# Altium PCB TMS320F28379D_Interfaz_.PcbDoc (part 1 of 5) (continued)
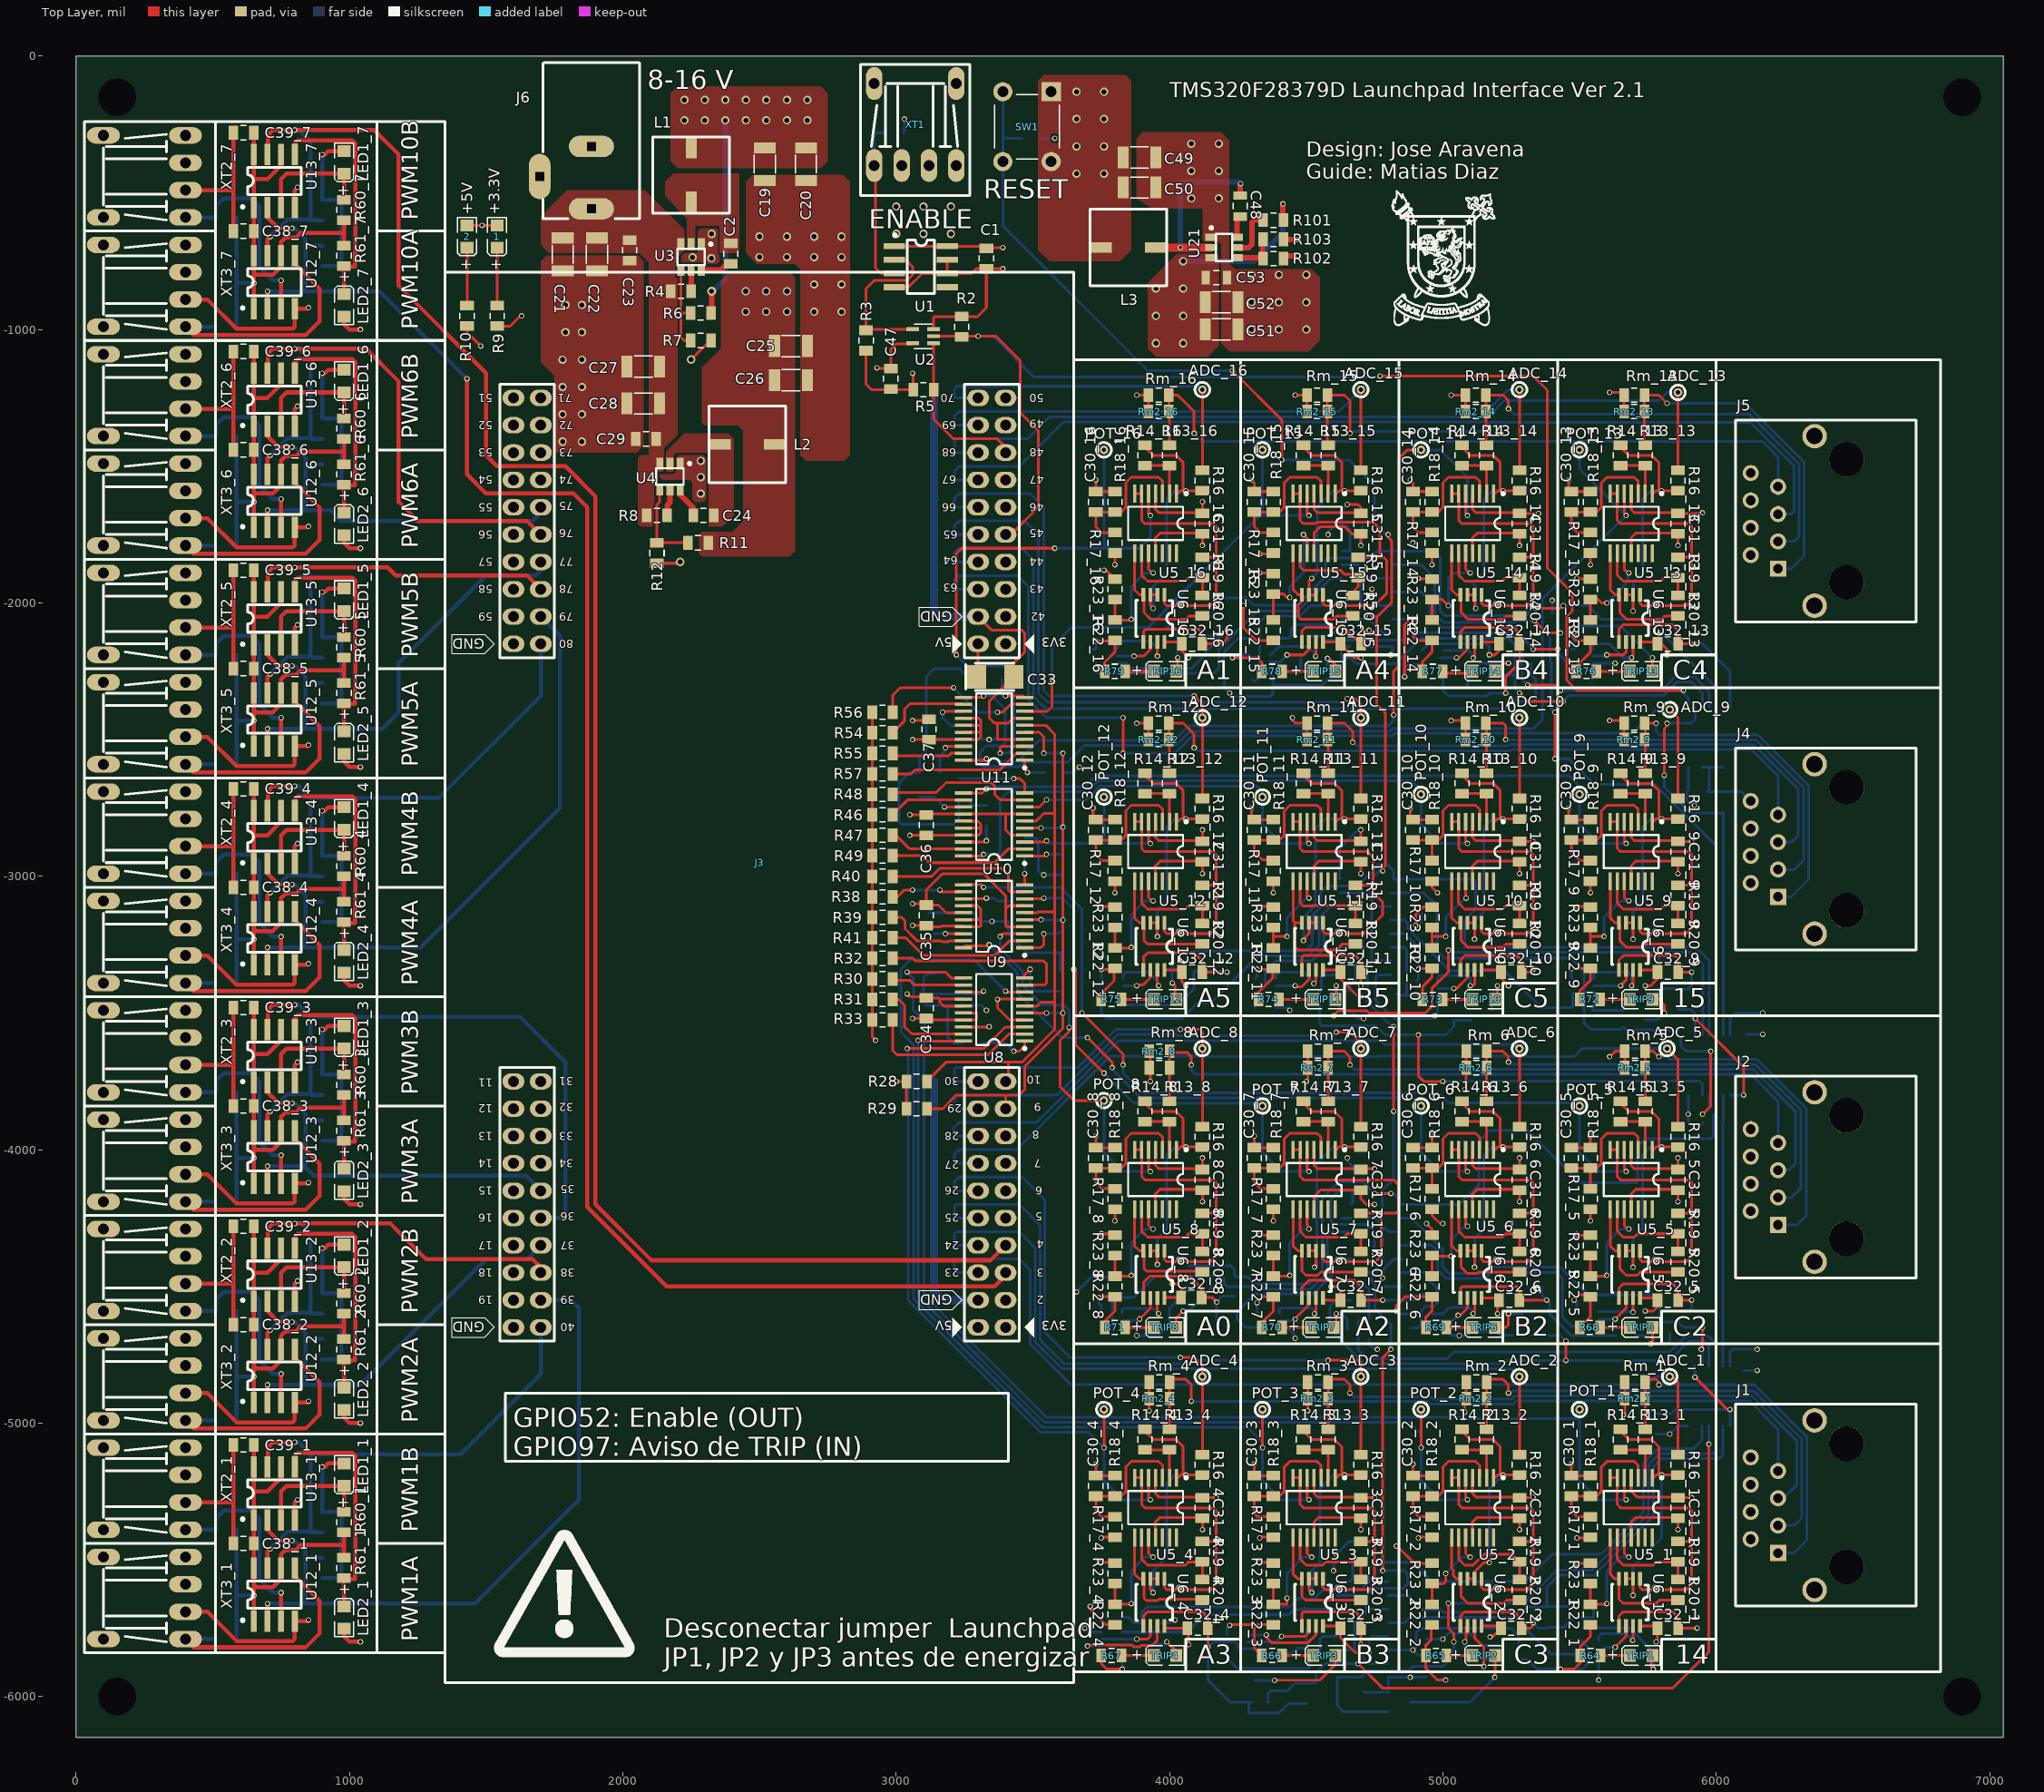
[diagram p0: Top Layer view]
## Components (designator, comment, footprint, x,y, rotation, side; value= is the part's Value field where it differs from the comment) (continued)
R14_1 "Resistor 0805" "Resistor 0805" 5650,-5060 r90 top value=10k (schematic designator R14)
R14_2 "Resistor 0805" "Resistor 0805" 5070,-5060 r90 top value=10k (schematic designator R14)
R14_3 "Resistor 0805" "Resistor 0805" 4490,-5060 r90 top value=10k (schematic designator R14)
R14_4 "Resistor 0805" "Resistor 0805" 3910,-5060 r90 top value=10k (schematic designator R14)
R14_5 "Resistor 0805" "Resistor 0805" 5650,-3860 r90 top value=10k (schematic designator R14)
R14_6 "Resistor 0805" "Resistor 0805" 5070,-3860 r90 top value=10k (schematic designator R14)
R14_7 "Resistor 0805" "Resistor 0805" 4490,-3860 r90 top value=10k (schematic designator R14)
R14_8 "Resistor 0805" "Resistor 0805" 3910,-3860 r90 top value=10k (schematic designator R14)
R14_9 "Resistor 0805" "Resistor 0805" 5650,-2660 r90 top value=10k (schematic designator R14)
R14_10 "Resistor 0805" "Resistor 0805" 5070,-2660 r90 top value=10k (schematic designator R14)
R14_11 "Resistor 0805" "Resistor 0805" 4490,-2660 r90 top value=10k (schematic designator R14)
R14_12 "Resistor 0805" "Resistor 0805" 3910,-2660 r90 top value=10k (schematic designator R14)
R14_13 "Resistor 0805" "Resistor 0805" 5650,-1460 r90 top value=10k (schematic designator R14)
R14_14 "Resistor 0805" "Resistor 0805" 5070,-1460 r90 top value=10k (schematic designator R14)
R14_15 "Resistor 0805" "Resistor 0805" 4490,-1460 r90 top value=10k (schematic designator R14)
R14_16 "Resistor 0805" "Resistor 0805" 3910,-1460 r90 top value=10k (schematic designator R14)
R16_1 "Resistor 0805" "Resistor 0805" 5860,-5152.6 r90 top value=4.7K (schematic designator R16)
R16_2 "Resistor 0805" "Resistor 0805" 5280,-5152.6 r90 top value=4.7K (schematic designator R16)
R16_3 "Resistor 0805" "Resistor 0805" 4700,-5152.6 r90 top value=4.7K (schematic designator R16)
R16_4 "Resistor 0805" "Resistor 0805" 4120,-5152.6 r90 top value=4.7K (schematic designator R16)
R16_5 "Resistor 0805" "Resistor 0805" 5860,-3952.6 r90 top value=4.7K (schematic designator R16)
R16_6 "Resistor 0805" "Resistor 0805" 5280,-3952.6 r90 top value=4.7K (schematic designator R16)
R16_7 "Resistor 0805" "Resistor 0805" 4700,-3952.6 r90 top value=4.7K (schematic designator R16)
R16_8 "Resistor 0805" "Resistor 0805" 4120,-3952.6 r90 top value=4.7K (schematic designator R16)
R16_9 "Resistor 0805" "Resistor 0805" 5860,-2752.6 r90 top value=4.7K (schematic designator R16)
R16_10 "Resistor 0805" "Resistor 0805" 5280,-2752.6 r90 top value=4.7K (schematic designator R16)
R16_11 "Resistor 0805" "Resistor 0805" 4700,-2752.6 r90 top value=4.7K (schematic designator R16)
R16_12 "Resistor 0805" "Resistor 0805" 4120,-2752.6 r90 top value=4.7K (schematic designator R16)
R16_13 "Resistor 0805" "Resistor 0805" 5860,-1552.6 r90 top value=4.7K (schematic designator R16)
R16_14 "Resistor 0805" "Resistor 0805" 5280,-1552.6 r90 top value=4.7K (schematic designator R16)
R16_15 "Resistor 0805" "Resistor 0805" 4700,-1552.6 r90 top value=4.7K (schematic designator R16)
R16_16 "Resistor 0805" "Resistor 0805" 4120,-1552.6 r90 top value=4.7K (schematic designator R16)
R17_1 "Resistor 0805" "Resistor 0805" 5540,-5380 r270 top value=68k (schematic designator R17)
R17_2 "Resistor 0805" "Resistor 0805" 4960,-5380 r270 top value=68k (schematic designator R17)
R17_3 "Resistor 0805" "Resistor 0805" 4380,-5380 r270 top value=68k (schematic designator R17)
R17_4 "Resistor 0805" "Resistor 0805" 3800,-5380 r270 top value=68k (schematic designator R17)
R17_5 "Resistor 0805" "Resistor 0805" 5540,-4180 r270 top value=68k (schematic designator R17)
R17_6 "Resistor 0805" "Resistor 0805" 4960,-4180 r270 top value=68k (schematic designator R17)
R17_7 "Resistor 0805" "Resistor 0805" 4380,-4180 r270 top value=68k (schematic designator R17)
R17_8 "Resistor 0805" "Resistor 0805" 3800,-4180 r270 top value=68k (schematic designator R17)
R17_9 "Resistor 0805" "Resistor 0805" 5540,-2980 r270 top value=68k (schematic designator R17)
R17_10 "Resistor 0805" "Resistor 0805" 4960,-2980 r270 top value=68k (schematic designator R17)
R17_11 "Resistor 0805" "Resistor 0805" 4380,-2980 r270 top value=68k (schematic designator R17)
R17_12 "Resistor 0805" "Resistor 0805" 3800,-2980 r270 top value=68k (schematic designator R17)
R17_13 "Resistor 0805" "Resistor 0805" 5540,-1780 r270 top value=68k (schematic designator R17)
R17_14 "Resistor 0805" "Resistor 0805" 4960,-1780 r270 top value=68k (schematic designator R17)
R17_15 "Resistor 0805" "Resistor 0805" 4380,-1780 r270 top value=68k (schematic designator R17)
R17_16 "Resistor 0805" "Resistor 0805" 3800,-1780 r270 top value=68k (schematic designator R17)
R18_1 "Resistor 0805" "Resistor 0805" 5540,-5230 r270 top value=12k (schematic designator R18)
R18_2 "Resistor 0805" "Resistor 0805" 4960,-5230 r270 top value=12k (schematic designator R18)
R18_3 "Resistor 0805" "Resistor 0805" 4380,-5230 r270 top value=12k (schematic designator R18)
R18_4 "Resistor 0805" "Resistor 0805" 3800,-5230 r270 top value=12k (schematic designator R18)
R18_5 "Resistor 0805" "Resistor 0805" 5540,-4030 r270 top value=12k (schematic designator R18)
R18_6 "Resistor 0805" "Resistor 0805" 4960,-4030 r270 top value=12k (schematic designator R18)
R18_7 "Resistor 0805" "Resistor 0805" 4380,-4030 r270 top value=12k (schematic designator R18)
R18_8 "Resistor 0805" "Resistor 0805" 3800,-4030 r270 top value=12k (schematic designator R18)
R18_9 "Resistor 0805" "Resistor 0805" 5540,-2830 r270 top value=12k (schematic designator R18)
R18_10 "Resistor 0805" "Resistor 0805" 4960,-2830 r270 top value=12k (schematic designator R18)
R18_11 "Resistor 0805" "Resistor 0805" 4380,-2830 r270 top value=12k (schematic designator R18)
R18_12 "Resistor 0805" "Resistor 0805" 3800,-2830 r270 top value=12k (schematic designator R18)
R18_13 "Resistor 0805" "Resistor 0805" 5540,-1630 r270 top value=12k (schematic designator R18)
R18_14 "Resistor 0805" "Resistor 0805" 4960,-1630 r270 top value=12k (schematic designator R18)
R18_15 "Resistor 0805" "Resistor 0805" 4380,-1630 r270 top value=12k (schematic designator R18)
R18_16 "Resistor 0805" "Resistor 0805" 3800,-1630 r270 top value=12k (schematic designator R18)
R19_1 "Resistor 0805" "Resistor 0805" 5860,-5470 r270 top value=10k (schematic designator R19)
R19_2 "Resistor 0805" "Resistor 0805" 5280,-5470 r270 top value=10k (schematic designator R19)
R19_3 "Resistor 0805" "Resistor 0805" 4700,-5470 r270 top value=10k (schematic designator R19)
R19_4 "Resistor 0805" "Resistor 0805" 4120,-5470 r270 top value=10k (schematic designator R19)
R19_5 "Resistor 0805" "Resistor 0805" 5860,-4270 r270 top value=10k (schematic designator R19)
R19_6 "Resistor 0805" "Resistor 0805" 5280,-4270 r270 top value=10k (schematic designator R19)
R19_7 "Resistor 0805" "Resistor 0805" 4700,-4270 r270 top value=10k (schematic designator R19)
R19_8 "Resistor 0805" "Resistor 0805" 4120,-4270 r270 top value=10k (schematic designator R19)
R19_9 "Resistor 0805" "Resistor 0805" 5860,-3070 r270 top value=10k (schematic designator R19)
R19_10 "Resistor 0805" "Resistor 0805" 5280,-3070 r270 top value=10k (schematic designator R19)
R19_11 "Resistor 0805" "Resistor 0805" 4680,-3070 r270 top value=10k (schematic designator R19)
R19_12 "Resistor 0805" "Resistor 0805" 4120,-3070 r270 top value=10k (schematic designator R19)
R19_13 "Resistor 0805" "Resistor 0805" 5860,-1870 r270 top value=10k (schematic designator R19)
R19_14 "Resistor 0805" "Resistor 0805" 5280,-1870 r270 top value=10k (schematic designator R19)
R19_15 "Resistor 0805" "Resistor 0805" 4690,-1870 r270 top value=10k (schematic designator R19)
R19_16 "Resistor 0805" "Resistor 0805" 4120,-1870 r270 top value=10k (schematic designator R19)
R20_1 "Resistor 0805" "Resistor 0805" 5860,-5610 r270 top value=10k (schematic designator R20)
R20_2 "Resistor 0805" "Resistor 0805" 5280,-5610 r270 top value=10k (schematic designator R20)
R20_3 "Resistor 0805" "Resistor 0805" 4700,-5610 r270 top value=10k (schematic designator R20)
R20_4 "Resistor 0805" "Resistor 0805" 4120,-5610 r270 top value=10k (schematic designator R20)
R20_5 "Resistor 0805" "Resistor 0805" 5860,-4410 r270 top value=10k (schematic designator R20)
R20_6 "Resistor 0805" "Resistor 0805" 5280,-4410 r270 top value=10k (schematic designator R20)
R20_7 "Resistor 0805" "Resistor 0805" 4700,-4410 r270 top value=10k (schematic designator R20)
R20_8 "Resistor 0805" "Resistor 0805" 4120,-4410 r270 top value=10k (schematic designator R20)
R20_9 "Resistor 0805" "Resistor 0805" 5860,-3210 r270 top value=10k (schematic designator R20)
R20_10 "Resistor 0805" "Resistor 0805" 5280,-3210 r270 top value=10k (schematic designator R20)
R20_11 "Resistor 0805" "Resistor 0805" 4680,-3210 r270 top value=10k (schematic designator R20)
R20_12 "Resistor 0805" "Resistor 0805" 4120,-3210 r270 top value=10k (schematic designator R20)
R20_13 "Resistor 0805" "Resistor 0805" 5860,-2010 r270 top value=10k (schematic designator R20)
R20_14 "Resistor 0805" "Resistor 0805" 5280,-2010 r270 top value=10k (schematic designator R20)
R20_15 "Resistor 0805" "Resistor 0805" 4670,-2010 r270 top value=10k (schematic designator R20)
R20_16 "Resistor 0805" "Resistor 0805" 4120,-2010 r270 top value=10k (schematic designator R20)
R21_1 "Resistor 0805" "Resistor 0805" 4950,-5750 r90 bottom value=10k (schematic designator R21)
R21_2 "Resistor 0805" "Resistor 0805" 4940,-5890 r90 bottom value=10k (schematic designator R21)
R21_3 "Resistor 0805" "Resistor 0805" 4500,-5860 r270 bottom value=10k (schematic designator R21)
R21_4 "Resistor 0805" "Resistor 0805" 4500,-5720 r90 bottom value=10k (schematic designator R21)
R21_5 "Resistor 0805" "Resistor 0805" 5400,-4500 r0 bottom value=10k (schematic designator R21)
R21_6 "Resistor 0805" "Resistor 0805" 4940,-4490 r90 bottom value=10k (schematic designator R21)
R21_7 "Resistor 0805" "Resistor 0805" 4210,-4620 r0 bottom value=10k (schematic designator R21)
R21_8 "Resistor 0805" "Resistor 0805" 3790,-4502.6 r270 bottom value=10k (schematic designator R21)
R21_9 "Resistor 0805" "Resistor 0805" 5510,-3480 r180 bottom value=10k (schematic designator R21)
R21_10 "Resistor 0805" "Resistor 0805" 4792.6,-3430 r0 bottom value=10k (schematic designator R21)
R21_11 "Resistor 0805" "Resistor 0805" 4350,-3480 r180 bottom value=10k (schematic designator R21)
R21_12 "Resistor 0805" "Resistor 0805" 3787.4,-3470 r180 bottom value=10k (schematic designator R21)
R21_13 "Resistor 0805" "Resistor 0805" 5510,-2280 r180 bottom value=10k (schematic designator R21)
R21_14 "Resistor 0805" "Resistor 0805" 4960,-2280 r180 bottom value=10k (schematic designator R21)
R21_15 "Resistor 0805" "Resistor 0805" 4340,-2300 r180 bottom value=10k (schematic designator R21)
R21_16 "Resistor 0805" "Resistor 0805" 4130,-2220 r270 bottom value=10k (schematic designator R21)
R22_1 "Resistor 0805" "Resistor 0805" 5540,-5700 r90 top value=12k (schematic designator R22)
R22_2 "Resistor 0805" "Resistor 0805" 4960,-5700 r90 top value=12k (schematic designator R22)
R22_3 "Resistor 0805" "Resistor 0805" 4380,-5700 r90 top value=12k (schematic designator R22)
R22_4 "Resistor 0805" "Resistor 0805" 3800,-5700 r90 top value=12k (schematic designator R22)
R22_5 "Resistor 0805" "Resistor 0805" 5540,-4500 r90 top value=12k (schematic designator R22)
R22_6 "Resistor 0805" "Resistor 0805" 4960,-4500 r90 top value=12k (schematic designator R22)
R22_7 "Resistor 0805" "Resistor 0805" 4380,-4500 r90 top value=12k (schematic designator R22)
R22_8 "Resistor 0805" "Resistor 0805" 3800,-4500 r90 top value=12k (schematic designator R22)
R22_9 "Resistor 0805" "Resistor 0805" 5540,-3300 r90 top value=12k (schematic designator R22)
R22_10 "Resistor 0805" "Resistor 0805" 4960,-3300 r90 top value=12k (schematic designator R22)
R22_11 "Resistor 0805" "Resistor 0805" 4380,-3300 r90 top value=12k (schematic designator R22)
R22_12 "Resistor 0805" "Resistor 0805" 3800,-3300 r90 top value=12k (schematic designator R22)
R22_13 "Resistor 0805" "Resistor 0805" 5540,-2100 r90 top value=12k (schematic designator R22)
R22_14 "Resistor 0805" "Resistor 0805" 4960,-2100 r90 top value=12k (schematic designator R22)
R22_15 "Resistor 0805" "Resistor 0805" 4380,-2100 r90 top value=12k (schematic designator R22)
R22_16 "Resistor 0805" "Resistor 0805" 3800,-2100 r90 top value=12k (schematic designator R22)
R23_1 "Resistor 0805" "Resistor 0805" 5540,-5550 r270 top value=10k (schematic designator R23)
R23_2 "Resistor 0805" "Resistor 0805" 4960,-5550 r270 top value=10k (schematic designator R23)
R23_3 "Resistor 0805" "Resistor 0805" 4380,-5550 r270 top value=10k (schematic designator R23)
R23_4 "Resistor 0805" "Resistor 0805" 3800,-5550 r270 top value=10k (schematic designator R23)
R23_5 "Resistor 0805" "Resistor 0805" 5540,-4350 r270 top value=10k (schematic designator R23)
R23_6 "Resistor 0805" "Resistor 0805" 4960,-4350 r270 top value=10k (schematic designator R23)
R23_7 "Resistor 0805" "Resistor 0805" 4380,-4350 r270 top value=10k (schematic designator R23)
R23_8 "Resistor 0805" "Resistor 0805" 3800,-4350 r270 top value=10k (schematic designator R23)
R23_9 "Resistor 0805" "Resistor 0805" 5540,-3150 r270 top value=10k (schematic designator R23)
R23_10 "Resistor 0805" "Resistor 0805" 4960,-3150 r270 top value=10k (schematic designator R23)
R23_11 "Resistor 0805" "Resistor 0805" 4380,-3150 r270 top value=10k (schematic designator R23)
R23_12 "Resistor 0805" "Resistor 0805" 3800,-3150 r270 top value=10k (schematic designator R23)
R23_13 "Resistor 0805" "Resistor 0805" 5540,-1950 r270 top value=10k (schematic designator R23)
R23_14 "Resistor 0805" "Resistor 0805" 4960,-1950 r270 top value=10k (schematic designator R23)
R23_15 "Resistor 0805" "Resistor 0805" 4380,-1930 r270 top value=10k (schematic designator R23)
R23_16 "Resistor 0805" "Resistor 0805" 3800,-1950 r270 top value=10k (schematic designator R23)
R24 "Resistor 0805" "Resistor 0805" 3140,-3392.6 r270 bottom value=2k
R25 "Resistor 0805" "Resistor 0805" 3282.6,-3610 r0 bottom value=2k
R26 "Resistor 0805" "Resistor 0805" 3250,-3510 r270 bottom value=2k
R27 "Resistor 0805" "Resistor 0805" 3600,-3382.6 r270 bottom value=2k
R28 "Resistor 0805" "Resistor 0805" 3075,-3750 r0 top value=2k2
R29 "Resistor 0805" "Resistor 0805" 3075,-3850 r0 top value=2k2
R30 "Resistor 0805" "Resistor 0805" 2950,-3375 r180 top value=10k
R31 "Resistor 0805" "Resistor 0805" 2950,-3450 r180 top value=10k
R32 "Resistor 0805" "Resistor 0805" 2950,-3300 r180 top value=10k
R33 "Resistor 0805" "Resistor 0805" 2950,-3525 r180 top value=10k
R34 "Resistor 0805" "Resistor 0805" 3410,-3127.4 r90 bottom value=2k
R35 "Resistor 0805" "Resistor 0805" 3600,-3240 r90 bottom value=2k
R36 "Resistor 0805" "Resistor 0805" 3120,-3170 r270 bottom value=2k
R37 "Resistor 0805" "Resistor 0805" 3470,-2897.4 r270 bottom value=2k
R38 "Resistor 0805" "Resistor 0805" 2950,-3075 r180 top value=10k
R39 "Resistor 0805" "Resistor 0805" 2950,-3150 r180 top value=10k
R40 "Resistor 0805" "Resistor 0805" 2950,-3000 r180 top value=10k
R41 "Resistor 0805" "Resistor 0805" 2950,-3225 r180 top value=10k
R42 "Resistor 0805" "Resistor 0805" 3047.4,-2710 r0 bottom value=2k
R43 "Resistor 0805" "Resistor 0805" 3610,-2957.4 r90 bottom value=2k
R44 "Resistor 0805" "Resistor 0805" 3330,-2777.4 r270 bottom value=2k
R45 "Resistor 0805" "Resistor 0805" 3230,-2680 r90 bottom value=2k
R46 "Resistor 0805" "Resistor 0805" 2950,-2775 r180 top value=10k
R47 "Resistor 0805" "Resistor 0805" 2950,-2850 r180 top value=10k
R48 "Resistor 0805" "Resistor 0805" 2950,-2700 r180 top value=10k
R49 "Resistor 0805" "Resistor 0805" 2950,-2925 r180 top value=10k
R50 "Resistor 0805" "Resistor 0805" 3330,-2450 r180 bottom value=2k
R51 "Resistor 0805" "Resistor 0805" 3580,-2620 r180 bottom value=2k
R52 "Resistor 0805" "Resistor 0805" 3122.6,-2620 r0 bottom value=2k
R53 "Resistor 0805" "Resistor 0805" 3350,-2280 r0 bottom value=2k
R54 "Resistor 0805" "Resistor 0805" 2950,-2475 r180 top value=10k
R55 "Resistor 0805" "Resistor 0805" 2950,-2550 r180 top value=10k
R56 "Resistor 0805" "Resistor 0805" 2950,-2400 r180 top value=10k
R57 "Resistor 0805" "Resistor 0805" 2950,-2625 r180 top value=10k
R58_1 "Resistor 0805" "Resistor 0805" 550,-5390 r0 bottom value=220 (schematic designator R58)
R58_2 "Resistor 0805" "Resistor 0805" 550,-4590 r0 bottom value=220 (schematic designator R58)
R58_3 "Resistor 0805" "Resistor 0805" 550,-3790 r0 bottom value=220 (schematic designator R58)
R58_4 "Resistor 0805" "Resistor 0805" 550,-2990 r0 bottom value=220 (schematic designator R58)
R58_5 "Resistor 0805" "Resistor 0805" 550,-2190 r0 bottom value=220 (schematic designator R58)
R58_6 "Resistor 0805" "Resistor 0805" 550,-1390 r0 bottom value=220 (schematic designator R58)
R58_7 "Resistor 0805" "Resistor 0805" 550,-590 r0 bottom value=220 (schematic designator R58)
R59_1 "Resistor 0805" "Resistor 0805" 550,-5793 r0 bottom value=220 (schematic designator R59)
R59_2 "Resistor 0805" "Resistor 0805" 550,-4993 r0 bottom value=220 (schematic designator R59)
R59_3 "Resistor 0805" "Resistor 0805" 550,-4193 r0 bottom value=220 (schematic designator R59)
R59_4 "Resistor 0805" "Resistor 0805" 550,-3393 r0 bottom value=220 (schematic designator R59)
R59_5 "Resistor 0805" "Resistor 0805" 550,-2593 r0 bottom value=220 (schematic designator R59)
R59_6 "Resistor 0805" "Resistor 0805" 550,-1793 r0 bottom value=220 (schematic designator R59)
R59_7 "Resistor 0805" "Resistor 0805" 550,-993 r0 bottom value=220 (schematic designator R59)
R60_1 "Resistor 0805" "Resistor 0805" 980,-5362.6 r270 top value=680 (schematic designator R60)
R60_2 "Resistor 0805" "Resistor 0805" 980,-4562.6 r270 top value=680 (schematic designator R60)
R60_3 "Resistor 0805" "Resistor 0805" 980,-3762.6 r270 top value=680 (schematic designator R60)
R60_4 "Resistor 0805" "Resistor 0805" 980,-2962.6 r270 top value=680 (schematic designator R60)
R60_5 "Resistor 0805" "Resistor 0805" 980,-2162.6 r270 top value=680 (schematic designator R60)
R60_6 "Resistor 0805" "Resistor 0805" 980,-1362.6 r270 top value=680 (schematic designator R60)
R60_7 "Resistor 0805" "Resistor 0805" 980,-562.6 r270 top value=680 (schematic designator R60)
R61_1 "Resistor 0805" "Resistor 0805" 980,-5530 r90 top value=680 (schematic designator R61)
R61_2 "Resistor 0805" "Resistor 0805" 980,-4730 r90 top value=680 (schematic designator R61)
R61_3 "Resistor 0805" "Resistor 0805" 980,-3930 r90 top value=680 (schematic designator R61)
R61_4 "Resistor 0805" "Resistor 0805" 980,-3130 r90 top value=680 (schematic designator R61)
R61_5 "Resistor 0805" "Resistor 0805" 980,-2330 r90 top value=680 (schematic designator R61)
R61_6 "Resistor 0805" "Resistor 0805" 980,-1530 r90 top value=680 (schematic designator R61)
R61_7 "Resistor 0805" "Resistor 0805" 980,-730 r90 top value=680 (schematic designator R61)
R62_1 "Resistor 0805" "Resistor 0805" 900,-5362.6 r270 bottom value=680 (schematic designator R62)
R62_2 "Resistor 0805" "Resistor 0805" 900,-4562.6 r270 bottom value=680 (schematic designator R62)
R62_3 "Resistor 0805" "Resistor 0805" 900,-3762.6 r270 bottom value=680 (schematic designator R62)
R62_4 "Resistor 0805" "Resistor 0805" 900,-2962.6 r270 bottom value=680 (schematic designator R62)
R62_5 "Resistor 0805" "Resistor 0805" 900,-2162.6 r270 bottom value=680 (schematic designator R62)
R62_6 "Resistor 0805" "Resistor 0805" 900,-1362.6 r270 bottom value=680 (schematic designator R62)
R62_7 "Resistor 0805" "Resistor 0805" 900,-562.6 r270 bottom value=680 (schematic designator R62)
R63_1 "Resistor 0805" "Resistor 0805" 900,-5530 r90 bottom value=680 (schematic designator R63)
R63_2 "Resistor 0805" "Resistor 0805" 900,-4730 r90 bottom value=680 (schematic designator R63)
R63_3 "Resistor 0805" "Resistor 0805" 900,-3930 r90 bottom value=680 (schematic designator R63)
R63_4 "Resistor 0805" "Resistor 0805" 900,-3130 r90 bottom value=680 (schematic designator R63)
R63_5 "Resistor 0805" "Resistor 0805" 900,-2330 r90 bottom value=680 (schematic designator R63)
R63_6 "Resistor 0805" "Resistor 0805" 900,-1530 r90 bottom value=680 (schematic designator R63)
R63_7 "Resistor 0805" "Resistor 0805" 900,-730 r90 bottom value=680 (schematic designator R63)
R64 "Resistor 0805" "Resistor 0805" 5540,-5850 r180 top value=680
R65 "Resistor 0805" "Resistor 0805" 4975,-5850 r180 top value=680
R66 "Resistor 0805" "Resistor 0805" 4375,-5850 r180 top value=680
R67 "Resistor 0805" "Resistor 0805" 3787.4,-5850 r180 top value=680
R68 "Resistor 0805" "Resistor 0805" 5537.4,-4650 r180 top value=680
R69 "Resistor 0805" "Resistor 0805" 4975,-4650 r180 top value=680
R70 "Resistor 0805" "Resistor 0805" 4375,-4650 r180 top value=680
R71 "Resistor 0805" "Resistor 0805" 3800,-4650 r180 top value=680
R72 "Resistor 0805" "Resistor 0805" 5537.6,-3450 r180 top value=680
R73 "Resistor 0805" "Resistor 0805" 4962.4,-3450 r180 top value=680
R74 "Resistor 0805" "Resistor 0805" 4362.6,-3450 r180 top value=680
R75 "Resistor 0805" "Resistor 0805" 3787.6,-3450 r180 top value=680
R76 "Resistor 0805" "Resistor 0805" 5525,-2250 r180 top value=680
R77 "Resistor 0805" "Resistor 0805" 4962.6,-2250 r180 top value=680
R78 "Resistor 0805" "Resistor 0805" 4375,-2250 r180 top value=680
R79 "Resistor 0805" "Resistor 0805" 3800,-2250 r180 top value=680
R80 "Resistor 0805" "Resistor 0805" 5780,-5002.6 r270 bottom value=2.2k
R81 "Resistor 0805" "Resistor 0805" 5987.01,-3920 r180 bottom value=2.2k
R82 "Resistor 0805" "Resistor 0805" 5380,-5710 r90 bottom value=2.2k